# Altium PCB Board_Layout_Test.PcbDoc (part 1 of 2) (continued)
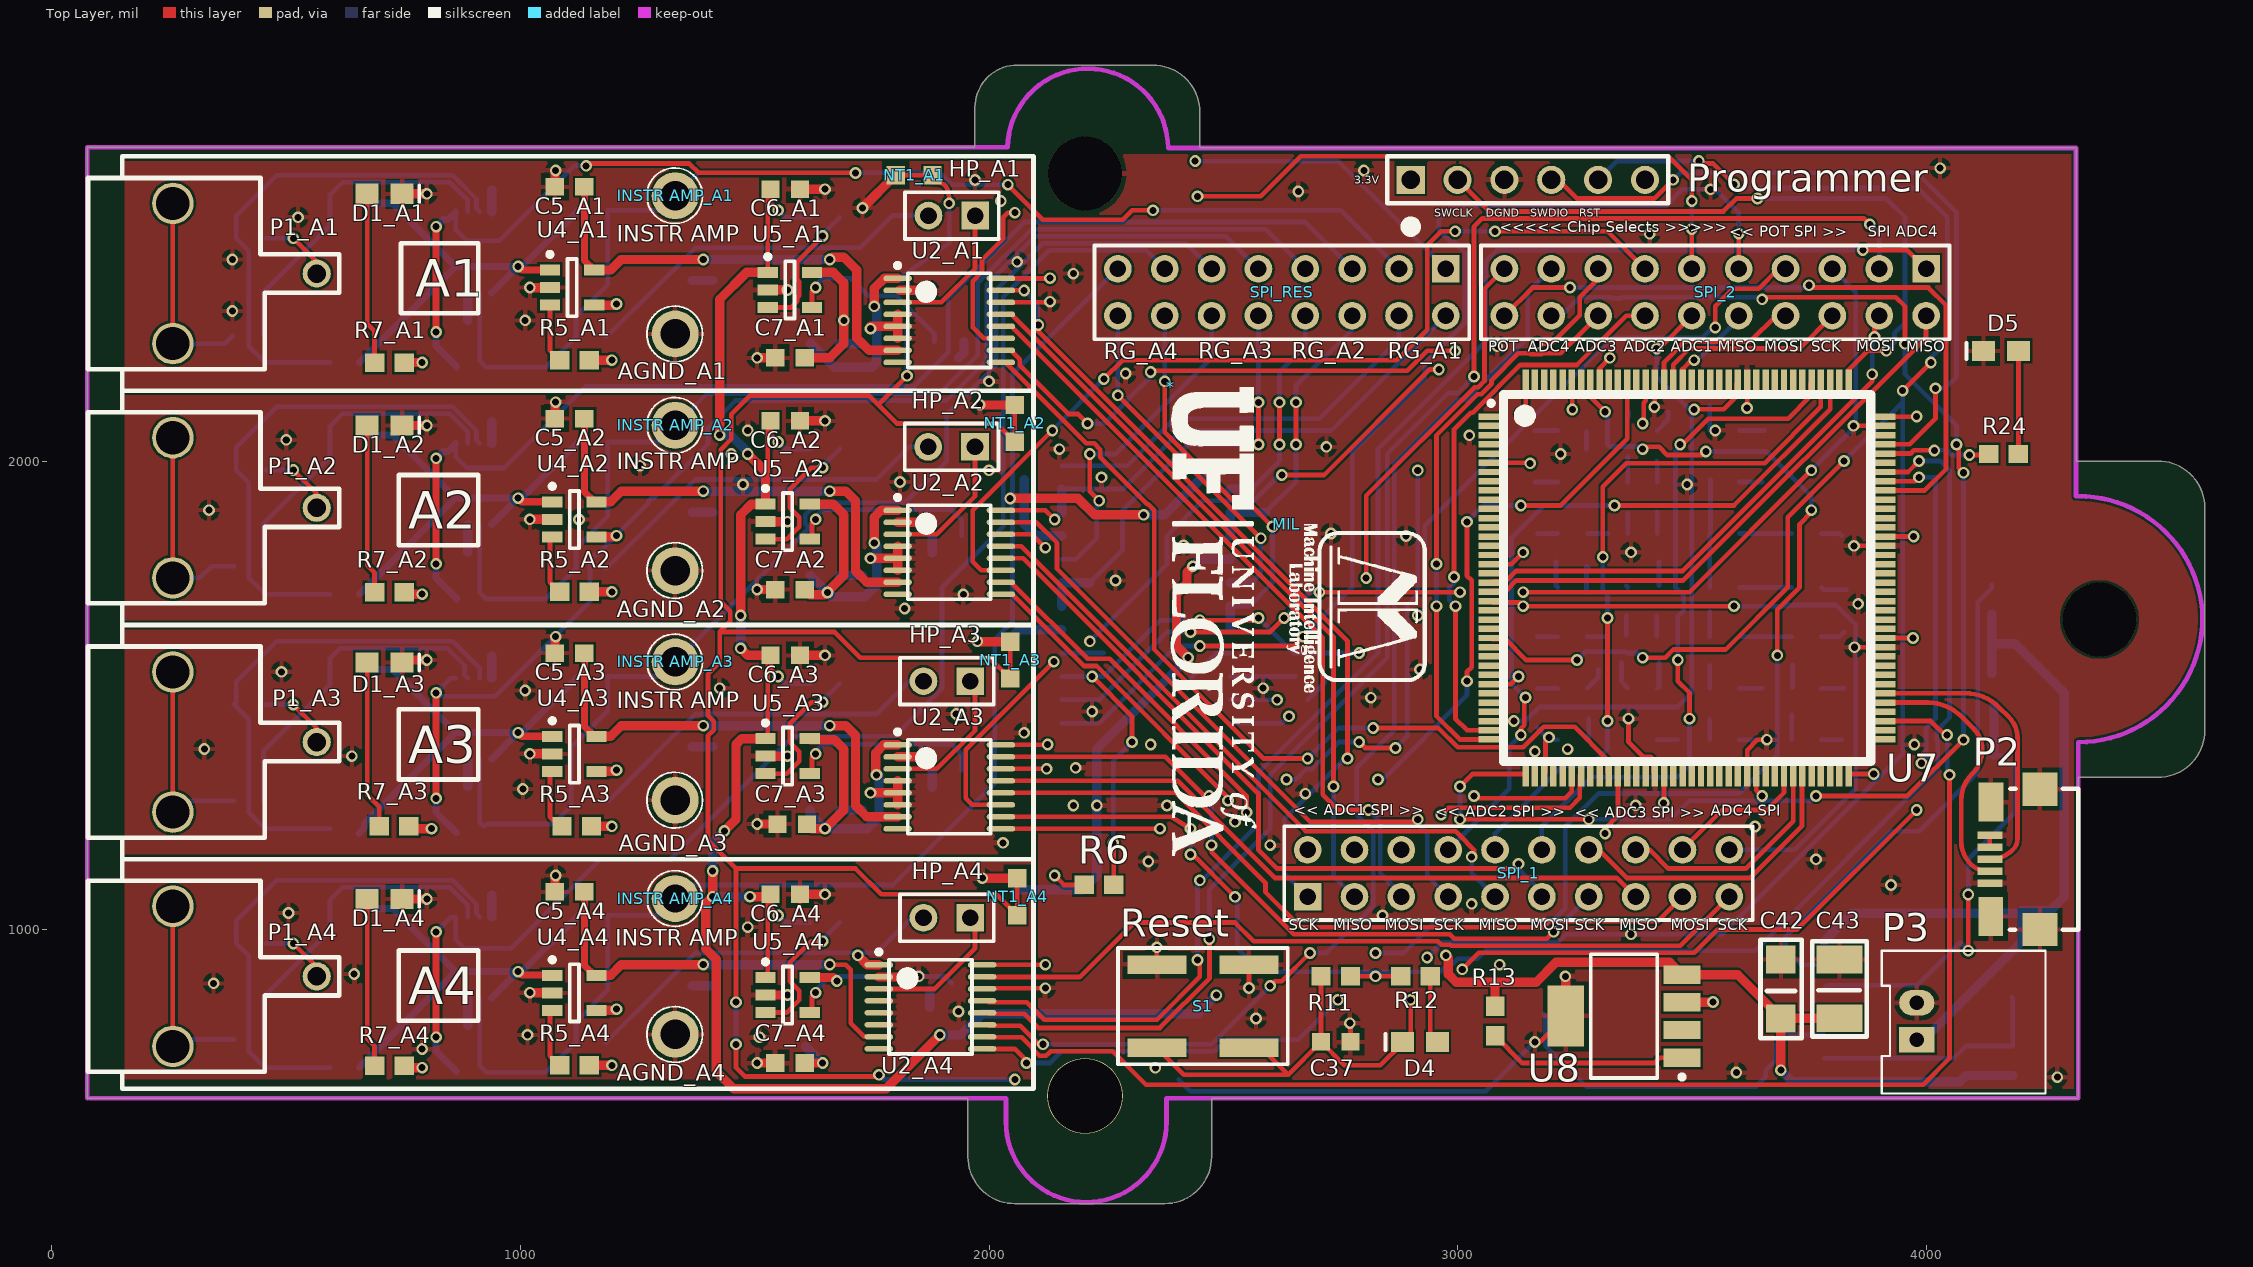
[diagram p0: Top Layer view]
## Components (designator, comment, footprint, x,y, rotation, side; value= is the part's Value field where it differs from the comment) (continued)
MIL "MIL LOGO" "MIL LOGO - 500" 2635,1865.21 r270 top
NT1_A1 "NetTie" NT_5MIL 1840,2610 r0 top net-tie (schematic designator NT1)
NT1_A2 "NetTie" NT_5MIL 2055,2080.21 r270 top net-tie (schematic designator NT1)
NT1_A3 "NetTie" NT_5MIL 2045,1575.21 r270 top net-tie (schematic designator NT1)
NT1_A4 "NetTie" NT_5MIL 2060,1070.21 r270 top net-tie (schematic designator NT1)
P1_A1 "BNC" "BNC CONNECTOR" 565,2400.21 r0 top (schematic designator P1)
P1_A2 "BNC" "BNC CONNECTOR" 565,1900.21 r0 top (schematic designator P1)
P1_A3 "BNC" "BNC CONNECTOR" 565,1400.21 r0 top (schematic designator P1)
P1_A4 "BNC" "BNC CONNECTOR" 565,900.21 r0 top (schematic designator P1)
P2 "USB Micro" 10118192-0001LF 4115,1150 r90 top
P3 "2-pin Horz Sherlock" MOLEX-HDR-1X2-SHERLOCK-HORZ 3980,765 r270 top
Programmer "SWD" SWD_STM32 2900,2600.21 r90 top
R1_A1 "Res" RES0603 625,2550.21 r180 bottom (schematic designator R1)
R1_A2 "Res" RES0603 625,2055.73 r180 bottom (schematic designator R1)
R1_A3 "Res" RES0603 625,1545.21 r180 bottom (schematic designator R1)
R1_A4 "Res" RES0603 625,1045.21 r180 bottom (schematic designator R1)
R2_A1 "Res" RES0603 625,2210.21 r0 bottom (schematic designator R2)
R2_A2 "Res" RES0603 625,1715.73 r0 bottom (schematic designator R2)
R2_A3 "Res" RES0603 630,1215.21 r0 bottom (schematic designator R2)
R2_A4 "Res" RES0603 625,705.21 r0 bottom (schematic designator R2)
R3_A1 "Res" RES0603 1335,2385.21 r180 bottom (schematic designator R3)
R3_A2 "Res" RES0603 1335,1890.73 r180 bottom (schematic designator R3)
R3_A3 "Res" RES0603 1335,1390.21 r180 bottom (schematic designator R3)
R3_A4 "Res" RES0603 1335,880.21 r180 bottom (schematic designator R3)
R4_A1 "Res" RES0603 1155,2535.21 r0 bottom (schematic designator R4)
R4_A2 "Res" RES0603 1155,2040.73 r0 bottom (schematic designator R4)
R4_A3 "Res" RES0603 1155,1540.21 r0 bottom (schematic designator R4)
R4_A4 "Res" RES0603 1155,1030.21 r0 bottom (schematic designator R4)
R5_A1 "Res" RES0603 1115,2215.21 r0 top (schematic designator R5)
R5_A2 "Res" RES0603 1115,1720.73 r0 top (schematic designator R5)
R5_A3 "Res" RES0603 1120,1220.21 r0 top (schematic designator R5)
R5_A4 "Res" RES0603 1115,710.21 r0 top (schematic designator R5)
R6 "Res" RES0603 2235,1095.21 r180 top
R7_A1 "Res" RES0603 720,2210.21 r180 top (schematic designator R7)
R7_A2 "Res" RES0603 720,1720.21 r180 top (schematic designator R7)
R7_A3 "Res" RES0603 730,1220.21 r180 top (schematic designator R7)
R7_A4 "Res" RES0603 720,709.7 r180 top (schematic designator R7)
R8_A1 "Res" RES0603 1650,2520.21 r180 bottom (schematic designator R8)
R8_A2 "Res" RES0603 1645,2030.21 r180 bottom (schematic designator R8)
R8_A3 "Res" RES0603 1645,1525.21 r180 bottom (schematic designator R8)
R8_A4 "Res" RES0603 1645,1019.7 r180 bottom (schematic designator R8)
R9 "Res" RES0603 2685,1540.21 r180 bottom
R10 "Res" RES0603 4145,1510 r270 bottom
R11 "Res" RES0603 2740,900.21 r180 top
R12 "Res" RES0603 2910,900.21 r0 top
R13 "Res" RES0603 3080,805 r270 top
R17 "Res" RES0603 4140,1705 r90 bottom
R21 "Res" RES0603 4145,1340 r270 bottom
R22 "Res" RES0603 4085,720 r90 bottom
R23 "Res" RES0603 4215,855 r0 bottom
R24 "Res" RES0603 4165,2015 r0 top
S1 "PBSW" PBSW 2555,925.21 r180 top
SPI_1 "Header 10X2" HDR2X10 2680,1070.21 r0 top
SPI_2 "Header 10X2" HDR2X10 4000,2410.21 r180 top
SPI_RES "Header 8X2" HDR2X8 2975,2410.21 r180 top
U1_A1 "Inst. Amp" TSSOP-8n 900,2445.21 r270 bottom (schematic designator U1)
U1_A2 "Inst. Amp" TSSOP-8n 900,1950.21 r270 bottom (schematic designator U1)
U1_A3 "Inst. Amp" TSSOP-8n 900,1449.7 r270 bottom (schematic designator U1)
U1_A4 "Inst. Amp" TSSOP-8n 900,939.7 r270 bottom (schematic designator U1)
U2_A1 "ADC 16bit 500k" TSSOP-16pin 1915,2300.21 r0 top (schematic designator U2)
U2_A2 "ADC 16bit 500k" TSSOP-16pin 1915,1805.21 r0 top (schematic designator U2)
U2_A3 "ADC 16bit 500k" TSSOP-16pin 1915,1304.7 r0 top (schematic designator U2)
U2_A4 "ADC 16bit 500k" TSSOP-16pin 1875,835 r0 top (schematic designator U2)
U3 "AD8403" SOIC-24n 2335,1715.21 r180 bottom
U4_A1 "REF2041" SOT23-5 1110,2370.21 r0 top (schematic designator U4)
U4_A2 "REF2041" SOT23-5 1115,1875.21 r0 top (schematic designator U4)
U4_A3 "REF2041" SOT23-5 1115,1374.7 r0 top (schematic designator U4)
U4_A4 "REF2041" SOT23-5 1115,864.7 r0 top (schematic designator U4)
U5_A1 "LDO 4.2V" SOT23-5 1575,2365.21 r0 top (schematic designator U5)
U5_A2 "LDO 4.2V" sot23-5 1570,1870.73 r0 top (schematic designator U5)
U5_A3 "LDO 4.2V" sot23-5 1570,1370.21 r0 top (schematic designator U5)
U5_A4 "LDO 4.2V" sot23-5 1570,860.21 r0 top (schematic designator U5)
U7 "STM32F429-144" LQFP-144 3490,1750.21 r0 top
U8 "3.3V LDO REG" SOT223-8N 3355,815.21 r180 top
U9 "LMZ14201h" TO-PMOD-7 3495,825 r270 bottom

## Footprints (in the part's own frame and the unit in brackets; to place one, negate y for a bottom-side part, rotate by r counter-clockwise, add the part's x,y. Pads: shape width x height; smd on the part's side, far side on the other; paste and mask are expansions set on the pad)
10118192-0001LF [mm] "USB Micro-B Recepticle"
  rect 0.4x1.35 smd: 1(-1.3,-0.533) 2(-0.65,-0.533) 3(0,-0.533) 4(0.65,-0.533) 5(1.3,-0.533)
  rect 1.8x1.9 smd: SHD(-3.8,-3.248) SHD(3.8,-3.248)
  rect 2.1x1.35 smd: SHD(-3.1,-0.584) SHD(3.1,-0.598)
  silkscreen extent -3.83,-5.33 3.83,-1.63, body extent -3.96,-5.98 3.96,-0.32, height 3.09
"BNC CONNECTOR" [mm] "For WM5524-ND"
  round 1.524 hole 1: 1(0,0)
  round 2.25 hole 1.8: 2(-7.8,-3.8) 3(-7.8,3.8)
  silkscreen extent -12.4,-5.18 1.22,5.18
CAP1206 [mm]
  rect 1.5x1.6 smd: 1(0,0) 2(-3.2,0)
  silkscreen extent -4.27,-1.1 1.06,1.13, body extent -3.2,-0.9 0.02,0.9, height 1.6
CAP1210 [mm]
  rect 1.5x2.5 smd: 1(-0.02,0) 2(-3.2,0)
  silkscreen extent -4.2,-1.48 0.97,1.48, body extent -3.22,-1.25 0,1.26, height 2.5
CAPC0603 [mm] "Chip Capacitor, 2-Leads, Body 1.60x0.80mm, IPC Medium Density"
  rect 1x0.95 smd: 1(-0.8,0) 2(0.8,0)
  body extent -0.88,-0.48 0.87,0.48, height 0.8
HDR1X2 [mm] "Connector; Header; 2 Position"
  rect 1.5x1.5 hole 0.9: 1(0,0)
  round 1.5 hole 0.9: 2(2.54,0)
  silkscreen extent -1.27,-1.27 3.81,1.27
HDR2X8 [mm] "Connector; Header; 8x2 Position"
  rect 1.5x1.5 hole 0.9: 1(0,0)
  round 1.5 hole 0.9: 2(0,2.54) 3(2.54,0) 4(2.54,2.54) 5(5.08,0) 6(5.08,2.54) 7(7.62,0) 8(7.62,2.54) 9(10.16,0) 10(10.16,2.54) 11(12.7,0) 12(12.7,2.54) 13(15.24,0) 14(15.24,2.54) 15(17.78,0) 16(17.78,2.54)
  silkscreen extent -1.27,-1.27 19.05,3.81
HDR2X10 [mm] "Connector; Header; 10x2 Position"
  rect 1.5x1.5 hole 0.9: 1(0,0)
  round 1.5 hole 0.9: 2(0,2.54) 3(2.54,0) 4(2.54,2.54) 5(5.08,0) 6(5.08,2.54) 7(7.62,0) 8(7.62,2.54) 9(10.16,0) 10(10.16,2.54) 11(12.7,0) 12(12.7,2.54) 13(15.24,0) 14(15.24,2.54) 15(17.78,0) 16(17.78,2.54) 17(20.32,0) 18(20.32,2.54) 19(22.86,0) 20(22.86,2.54)
  silkscreen extent -1.27,-1.27 24.13,3.81
LED0805-RED [mm] "Molded Diode, 2-Leads, Body 2.0x1.3mm, IPC Medium Density"
  rect 1.25x1.1 smd: 1(-0.95,0) 2(0.95,0)
  silkscreen extent -1.88,-0.45 -1.88,0.45, body extent -1.01,-0.62 1.01,0.63, height 1.1
LQFP-144 [mm] "For STM32F407"
  rect 1.35x0.35 smd: 1(-10.625,8.75) 2(-10.625,8.25) 3(-10.625,7.75) 4(-10.625,7.25) 5(-10.625,6.75) 6(-10.625,6.25) 7(-10.625,5.75) 8(-10.625,5.25) 9(-10.625,4.75) 10(-10.625,4.25) 11(-10.625,3.75) 12(-10.625,3.25) 13(-10.625,2.75) 14(-10.625,2.25) 15(-10.625,1.75) 16(-10.625,1.25) 17(-10.625,0.75) 18(-10.625,0.25) 19(-10.625,-0.25) 20(-10.625,-0.75) 21(-10.625,-1.25) 22(-10.625,-1.75) 23(-10.625,-2.25) 24(-10.625,-2.75) 25(-10.625,-3.25) 26(-10.625,-3.75) 27(-10.625,-4.25) 28(-10.625,-4.75) 29(-10.625,-5.25) 30(-10.625,-5.75) 31(-10.625,-6.25) 32(-10.625,-6.75) 33(-10.625,-7.25) 34(-10.625,-7.75) 35(-10.625,-8.25) 36(-10.625,-8.75) 73(10.625,-8.75) 74(10.625,-8.25) 75(10.625,-7.75) 76(10.625,-7.25) 77(10.625,-6.75) 78(10.625,-6.25) 79(10.625,-5.75) 80(10.625,-5.25) 81(10.625,-4.75) 82(10.625,-4.25) 83(10.625,-3.75) 84(10.625,-3.25) 85(10.625,-2.75) 86(10.625,-2.25) 87(10.625,-1.75) 88(10.625,-1.25) 89(10.625,-0.75) 90(10.625,-0.25) 91(10.625,0.25) 92(10.625,0.75) 93(10.625,1.25) 94(10.625,1.75) 95(10.625,2.25) 96(10.625,2.75) 97(10.625,3.25) 98(10.625,3.75) 99(10.625,4.25) 100(10.625,4.75) 101(10.625,5.25) 102(10.625,5.75) 103(10.625,6.25) 104(10.625,6.75) 105(10.625,7.25) 106(10.625,7.75) 107(10.625,8.25) 108(10.625,8.75)
  rect 0.35x1.35 smd: 37(-8.75,-10.625) 38(-8.25,-10.625) 39(-7.75,-10.625) 40(-7.25,-10.625) 41(-6.75,-10.625) 42(-6.25,-10.625) 43(-5.75,-10.625) 44(-5.25,-10.625) 45(-4.75,-10.625) 46(-4.25,-10.625) 47(-3.75,-10.625) 48(-3.25,-10.625) 49(-2.75,-10.625) 50(-2.25,-10.625) 51(-1.75,-10.625) 52(-1.25,-10.625) 53(-0.75,-10.625) 54(-0.25,-10.625) 55(0.25,-10.625) 56(0.75,-10.625) 57(1.25,-10.625) 58(1.75,-10.625) 59(2.25,-10.625) 60(2.75,-10.625) 61(3.25,-10.625) 62(3.75,-10.625) 63(4.25,-10.625) 64(4.75,-10.625) 65(5.25,-10.625) 66(5.75,-10.625) 67(6.25,-10.625) 68(6.75,-10.625) 69(7.25,-10.625) 70(7.75,-10.625) 71(8.25,-10.625) 72(8.75,-10.625) 109(8.75,10.625) 110(8.25,10.625) 111(7.75,10.625) 112(7.25,10.625) 113(6.75,10.625) 114(6.25,10.625) 115(5.75,10.625) 116(5.25,10.625) 117(4.75,10.625) 118(4.25,10.625) 119(3.75,10.625) 120(3.25,10.625) 121(2.75,10.625) 122(2.25,10.625) 123(1.75,10.625) 124(1.25,10.625) 125(0.75,10.625) 126(0.25,10.625) 127(-0.25,10.625) 128(-0.75,10.625) 129(-1.25,10.625) 130(-1.75,10.625) 131(-2.25,10.625) 132(-2.75,10.625) 133(-3.25,10.625) 134(-3.75,10.625) 135(-4.25,10.625) 136(-4.75,10.625) 137(-5.25,10.625) 138(-5.75,10.625) 139(-6.25,10.625) 140(-6.75,10.625) 141(-7.25,10.625) 142(-7.75,10.625) 143(-8.25,10.625) 144(-8.75,10.625)
  silkscreen extent -10.75,-9.95 9.95,9.95, body extent -9.95,-9.95 9.95,9.95, height 1.6
"MIL LOGO - 500" [mil]
  silkscreen extent 0,0 359,299
MOLEX-HDR-1X2-SHERLOCK-HORZ [mm]
  rect 1.397x1.905 hole 0.8: 1(0,0)
  oval 1.397x1.905 hole 0.8: 2(-2,0)
  silkscreen extent -4.83,-1.91 2.92,6.98, body extent -4.83,-1.91 2.87,8.59, height 5.54
NT_5MIL [mm] "Thin Net Tie"
  rect 1x1 smd paste+0 mask+0: 1(-1,0) 2(1,0)
  Top Layer lines w0.254: -1,0 1,0
PBSW [mm]
  rect 3.2x1 smd: 1(0,0) 2(5,0) 3(5,4.5) 4(0,4.5)
  silkscreen extent -2.1,-0.9 7.1,5.4, body extent -2,-0.75 7,5.25, height 5
RES0603 [mm] "Chip Resistor, 2-Leads, Body 1.60x0.80mm, IPC Medium Density"
  rect 1.05x1 smd: 1(-0.8,0) 2(0.8,0)
  body extent -0.88,-0.48 0.87,0.47, height 0.8
SOIC-24n [mm]
  oval 2.3x0.6 smd: 1(-4.575,6.985) 2(-4.575,5.715) 3(-4.575,4.445) 4(-4.575,3.175) 5(-4.575,1.905) 6(-4.575,0.635) 7(-4.575,-0.635) 8(-4.575,-1.905) 9(-4.575,-3.175) 10(-4.575,-4.445) 11(-4.575,-5.715) 12(-4.575,-6.985) 13(4.575,-6.985) 14(4.575,-5.715) 15(4.575,-4.445) 16(4.575,-3.175) 17(4.575,-1.905) 18(4.575,-0.635) 19(4.575,0.635) 20(4.575,1.905) 21(4.575,3.175) 22(4.575,4.445) 23(4.575,5.715) 24(4.575,6.985)
  silkscreen extent -4.7,-7.8 3.8,7.96, body extent -3.8,-7.8 3.8,7.8, height 1.2
SOT23-5 [mm] "Used for LP2992"
  rect 1.1x0.6 smd: 1(-1.2,0.95) 2(-1.2,0) 3(-1.2,-0.95) 4(1.2,-0.95) 5(1.2,0.95)
  silkscreen extent -1.32,-1.55 0.25,1.92, body extent -0.87,-1.52 0.87,1.53, height 0.25
sot23-5 [mm] "Used for LP2992"
  rect 1.1x0.6 smd: 1(-1.2,0.95) 2(-1.2,0) 3(-1.2,-0.95) 4(1.2,-0.95) 5(1.2,0.95)
  silkscreen extent -1.32,-1.55 0.25,1.92, body extent -0.87,-1.52 0.87,1.53, height 0.25
SOT223-8N [mm] "3.3V LDO"
  rect 2x1 smd: 1(-3.15,2.25) 2(-3.15,0.75) 3(-3.15,-0.75) 4(-3.15,-2.25)
  rect 2x3.3 smd: 5(3.15,0)
  silkscreen extent -3.27,-3.35 1.8,3.42, body extent -1.85,-3.35 1.85,3.35, height 1.8
SWD_STM32 [mil] "SWD connector matching the pinout on STM Discovery Boards"
  rect 60x60 hole 39.37: 1(0,0)
  round 60 hole 39.37: 2(0,-100) 3(0,-200) 4(0,-300) 5(0,-400) 6(0,-500)
  silkscreen extent -110,-550 50,50
TO-PMOD-7 [mm] "For LMZ14201h"
  rect 0.89x3.06 smd: 1(-3.81,-7.305) 2(-2.54,-7.305) 3(-1.27,-7.305) 4(0,-7.305) 5(1.27,-7.305) 6(2.54,-7.305) 7(3.81,-7.305)
  rect 5.35x8.54 smd: 8(0,0)
  body extent -4.83,-5.74 4.9,4.41, height 5
TP#1 [mm]
  round 2.54 hole 1.6: 1(0.025,0)
  silkscreen extent -1.49,-1.49 1.54,1.53, body extent -1.59,-1.59 1.59,1.59, height 5.58
TP#2 [mm]
  round 2.54 hole 1.5: 1(0.025,0)
  silkscreen extent -1.49,-1.49 1.54,1.53, body extent -1.59,-1.59 1.59,1.59, height 5.58
TSSOP-8n [mm]
  oval 1.45x0.45 smd: 1(-2.2,0.975) 2(-2.2,0.325) 3(-2.2,-0.325) 4(-2.2,-0.975) 5(2.2,-0.975) 6(2.2,-0.325) 7(2.2,0.325) 8(2.2,0.975)
  silkscreen extent -2.32,-1.55 1.55,1.87, body extent -1.55,-1.55 1.55,1.55, height 1.1
TSSOP-16pin [mm] "For 296-19764-ND"
  oval 1.55x0.3 smd: 1(-2.8,2.275) 2(-2.8,1.625) 3(-2.8,0.975) 4(-2.8,0.325) 5(-2.8,-0.325) 6(-2.8,-0.975) 7(-2.8,-1.625) 8(-2.8,-2.275) 9(2.8,-2.275) 10(2.8,-1.625) 11(2.8,-0.975) 12(2.8,-0.325) 13(2.8,0.325) 14(2.8,0.975) 15(2.8,1.625) 16(2.8,2.275)
  silkscreen extent -2.92,-2.55 2.25,3.1, body extent -2.25,-2.55 2.25,2.55, height 1.2
"UF LOGO-1000" [mil]
  silkscreen extent 0,0 1000,183

## Part data
AGND_A1 AGND_A2 AGND_A3 AGND_A4 "INSTR AMP_A1" "INSTR AMP_A2" "INSTR AMP_A3" "INSTR AMP_A4": "TEST POINT PC COMPACT .063\"D"
C40 C42: "CAP CER 1UF 50V 10% X7R 1206"
C41 C43: "CAP CER 10UF 50V 20% X5R 1210"
D1_A1 D1_A2 D1_A3 D1_A4 D4 D5: "Light Emitting Diode - RED"
HP_A1 HP_A2 HP_A3 HP_A4: "Header, 2-Pin"
NT1_A1 NT1_A2 NT1_A3 NT1_A4: "Ties two nets together"
P1_A1 P1_A2 P1_A3 P1_A4: library part "BNC Connector", "CONN BNC JACK R/A 50 OHM PCB"
P2: "USB Mini B Metal Shield SMT"
P3: library part MOLEX-HDR-1x2-SHERLOCK_RA, "Header, Molex, 2mm Pitch Sherlock Header, Single Row, Horizontal, 2 Circuits, Length 3.3mm,  0353630260"
Programmer: library part SWD_STM32, "SWD connector matching the pinout on STM Discovery Boards"
S1: library part SW-PB, "Push Button Switch"
SPI_1 SPI_2: "Header, 10-Pin, Dual row"
SPI_RES: "Header, 8-Pin, Dual row"
U1_A1 U1_A2 U1_A3 U1_A4: library part INA331, "IC OPAMP INSTR 2MHZ RRO 8VSSOP"
U2_A1 U2_A2 U2_A3 U2_A4: "IC ADC 16BIT 500KSPS 16-TSSOP"
U3: "IC POT DGTL 8BIT 100K 4CH 24SOIC"
U4_A1 U4_A2 U4_A3 U4_A4: "IC VREF SERIES 2.05V/4.096V 5SOT"
U5_A1 U5_A2 U5_A3 U5_A4: library part "LDO 4.2V 200mA", "IC REG LDO 4.2V 0.2A 5SOT"
U7: "IC MCU ARM 2MB FLASH 144LQFP"
U8: library part LP38691, "IC REG LDO 3.3V 0.5A SOT223-5"
U9: "IC BUCK SYNC ADJ 1A TO-PMOD-7"

## Free pads (board coordinates)
  round 161.42 hole 157.48: 0(2204.72,645)
  round 157.48 hole 157.48: 0(2204.72,2613.5) 0(4370.08,1661.73)

## Via types
v1: diameter 25, hole 15, Top Layer to Bottom Layer, tented both sides, 292 vias
v2: diameter 25, hole 15, Top Layer to Ground, tented top, 64 vias
v3: diameter 25, hole 15, Ground to Bottom Layer, tented bottom, 48 vias
v4: diameter 25, hole 15, Top Layer to Power, tented top, 36 vias
v5: diameter 25, hole 15, Power to Bottom Layer, tented bottom, 30 vias

## Nets (pads, with @x,y where several pads share a name; then routed paths per layer and width w, separated by ;. In a path a pad name is that pad's centre, name@x,y a point inside that pad or via, vN(x,y) a via of type N, cw(c..) or ccw(c..) an arc to the next point about the centre after c; other vN are vias at no path point)
1: 
2.048V_A1: R1_A1.1 R2_A1.2 R4_A1.1 U1_A1.5 U4_A1.1 | length 1013.5
  Top Layer w15: v1(995,2415.21) 1002.6,2407.62 U4_A1.1@1062.76,2407.62
  Bottom Layer w15: R2_A1.2@656.5,2210.21 861.5,2415.21 ; R1_A1.1@656.5,2550.21 726.5,2550.21 861.5,2415.21 ; U1_A1.5@938.39,2358.6 v1(995,2415.21) ; R4_A1.1@1123.5,2535.21 1003.5,2415.21 v1(995,2415.21) ; 861.5,2415.21 v1(995,2415.21)
2.048V_A2: R1_A2.1 R2_A2.2 R4_A2.1 U1_A2.5 U4_A2.1 | length 1013.5
  Top Layer w15: v1(995,1920.73) 1002.6,1913.13 U4_A2.1@1062.76,1913.13
  Bottom Layer w15: R2_A2.2@656.5,1715.73 861.5,1920.73 ; R1_A2.1@656.5,2055.73 726.5,2055.73 861.5,1920.73 ; U1_A2.5@938.39,1864.11 v1(995,1920.73) ; R4_A2.1@1123.5,2040.73 1003.5,1920.73 v1(995,1920.73) ; 861.5,1920.73 v1(995,1920.73)
2.048V_A3: R1_A3.1 R2_A3.2 R4_A3.1 U1_A3.5 U4_A3.1 | length 1024.1
  Top Layer w15: v1(995,1420.21) 1002.6,1412.62 U4_A3.1@1062.76,1412.62
  Bottom Layer w15: R2_A3.2@655,1205.21 666.5,1216.71 666.5,1225.21 861.5,1420.21 ; R1_A3.1@656.5,1555.21 726.5,1555.21 861.5,1420.21 ; U1_A3.5@938.39,1363.6 v1(995,1420.21) ; R4_A3.1@1123.5,1540.21 1003.5,1420.21 v1(995,1420.21) ; 861.5,1420.21 v1(995,1420.21)
2.048V_A4: R1_A4.1 R2_A4.2 R4_A4.1 U1_A4.5 U4_A4.1 | length 1013.5
  Top Layer w15: v1(995,910.21) 1002.6,902.62 U4_A4.1@1062.76,902.62
  Bottom Layer w15: R2_A4.2@656.5,705.21 861.5,910.21 ; R1_A4.1@656.5,1045.21 726.5,1045.21 861.5,910.21 ; U1_A4.5@938.39,853.6 v1(995,910.21) ; R4_A4.1@1123.5,1030.21 1003.5,910.21 v1(995,910.21) ; 861.5,910.21 v1(995,910.21)
3: 
3.3VD: C11.1 C12.1 C13.1 C14.1 C15.1 C16.1 C17.1 C18.1 C19.1 C20.1 C21.1 C22.1 C23.1 C24.1 C25.1 C26.1 C27.1 C28.1 C29.1 C30.1 C31.1 C32.1 C33.1 C34.1 C35.1 C36.1 Programmer.1 R6.2 R9.1 R11.1 R12.1 U2_A1.16 U2_A2.16 U2_A3.16 U2_A4.16 U3.16 U7.6 U7.17 U7.30 U7.39 U7.52 U7.62 U7.72 U7.84 U7.95 U7.108 U7.121 U7.131 U7.144 U8.3 | length 3167.3
  Top Layer w10: U2_A4.16@1995.47,925 v4(2120,925) ; U2_A3.16@2025.24,1394.27 v4@2124.05,1394.27 ; U2_A2.16@2025.24,1894.78 2120.43,1894.78 v4(2140,1875.21) ; U2_A1.16@2025.24,2389.78 v4@2129.57,2389.78 ; v4(2140,1115.21) 2160,1095.21 R6.2@2203.5,1095.21 ; R11.1@2771.5,900.21 R12.1@2878.5,900.21 ; U7.30@3071.69,1523.84 3113.62,1523.84 v4(3130,1540.21) ; U7.17@3071.69,1779.74 3114.53,1779.74 v4(3140,1805.21) ; U7.6@3071.69,1996.28 v4@3153.94,1996.28 ; v4(3135,2100.21) 3145.51,2110.73 U7.144@3145.51,2168.52 ; U7.39@3184.88,1331.91 3187.5,1334.52 3187.5,1402.71 v4(3195,1410.21) ; v4@3397.5,2082.71 3397.5,2124.53 3401.42,2128.45 U7.131@3401.42,2168.52 ; v4@3440.79,1271 U7.52@3440.79,1331.91 ; v4(3505,2110.21) 3567.88,2110.21 3595.47,2137.8 3595.47,2165.73 U7.121@3598.27,2168.52 ; U7.62@3637.64,1331.91 3637.64,1297.58 v4(3650,1285.21) ; U7.72@3834.49,1331.91 v4(3888.31,1331.91) ; U7.84@3908.31,1622.26 v4(3972.05,1622.26) ; U7.95@3908.31,1838.8 v4(3973.58,1838.8) ; U7.108@3908.31,2094.7 v4@3979.49,2094.7
  Top Layer w20: U8.3@3479.02,844.74 v4@3544.53,844.74
  Bottom Layer w10: U3.16@2154.88,1590.21 v5(2245,1590.21) ; v5(2680,1490.21) 2716.5,1526.71 R9.1@2716.5,1540.21 ; v5(3165,1955.21) C31.1@3213.5,1955.21 ; v5(3165,2065.21) C30.1@3213.5,2065.21 ; v5(3170,1430.21) 3195,1405.21 C36.1@3213.5,1405.21 ; v5(3170,1515.21) C35.1@3213.5,1515.21 ; v5(3170,1625.21) C34.1@3213.5,1625.21 ; v5(3170,1845.21) C32.1@3213.5,1845.21 ; v5(3210,1785.21) 3210,1733.72 C33.1@3213.5,1730.21 ; C27.1@3425,1626.71 v5(3425,1670.21) ; v5(3425,2000.21) 3426.5,1998.72 C24.1@3426.5,1955.21 ; C29.1@3426.5,1405.21 v5(3470,1405.21) ; C28.1@3426.5,1515.21 3430,1518.72 v5(3430,1570.21) ; C25.1@3426.5,1845.21 v5@3426.5,1891.71 ; C23.1@3426.5,2065.21 3450,2088.72 v5(3450,2105.21) ; C26.1@3430,1733.72 v5(3430,1785.21) ; C22.1@3538.5,1405.21 v5@3538.5,1448.72 ; C21.1@3538.5,1515.21 v5@3538.5,1563.72 ; C20.1@3538.5,1625.21 v5@3538.5,1678.72 ; C19.1@3538.5,1730.21 v5@3538.5,1778.72 ; v5@3538.5,1780.21 C18.1@3538.5,1845.21 ; C16.1@3538.5,2065.21 v5@3538.5,2118.72 ; C18.1@3540,1845.21 C17.1@3540,1960.21 ; C15.1@3776.5,1405.21 v5(3820,1405.21) ; C14.1@3776.5,1515.21 v5(3825,1515.21) ; C13.1@3776.5,1625.21 3815,1625.21 v5(3825,1635.21) ; C12.1@3776.5,1730.21 3781.5,1725.21 v5(3830,1725.21) ; C11.1@3776.5,1845.21 3815,1845.21 v5(3820,1840.21)
  other v4: 3545,845.21 2825,900.21 3440,1270.21 2125,1395.21 3155,1995.21 3395,2080.21 3980,2095.21 2130,2390.21
  other v5: 3540,1450.21 3540,1565.21 3540,1680.21 3540,1780.21 3430,1895.21 3540,2120.21
4.2V_A1: C1_A1.2 C7_A1.2 R5_A1.2 R7_A1.1 U1_A1.7 U2_A1.1 U4_A1.4 U5_A1.5 | length 877.3
  Top Layer w20: R7_A1.1@751.5,2210.21 v4(790,2210.21) ; R5_A1.2@1146.5,2215.21 v4(1195,2215.21) ; U4_A1.4@1157.24,2332.81 v4@1202.6,2332.81 ; C7_A1.2@1606.5,2220.21 1660,2220.21 1690,2250.21 v4(1690,2300.21) 1690,2380.21 1667.6,2402.62 U5_A1.5@1622.24,2402.62 ; v1(1755,2330.21) 1755,2368.6 1776.62,2390.21 1804.33,2390.21 U2_A1.1@1804.76,2389.78
  Bottom Layer w20: v5(887.2,2300.21) U1_A1.7@887.2,2358.6 ; C1_A1.2@1618.5,2250.21 1620,2250.21 1670,2200.21 1750,2200.21 1760,2210.21 v1@1760,2330.21
  other v4: 1205,2335.21
4.2V_A2: C1_A2.2 C7_A2.2 R5_A2.2 R7_A2.1 U1_A2.7 U2_A2.1 U4_A2.4 U5_A2.5 | length 869.1
  Top Layer w20: R7_A2.1@751.5,1715.73 v4(790,1715.73) ; R5_A2.2@1146.5,1720.73 v4(1195,1720.73) ; U4_A2.4@1157.24,1838.32 v4@1202.6,1838.32 ; C7_A2.2@1606.5,1725.73 1617.22,1715 1649.27,1715 1690,1755.73 1690,1885.73 1667.6,1908.13 U5_A2.5@1622.24,1908.13 ; v1(1755,1825.21) 1755,1880.21 1769.57,1894.78 U2_A2.1@1804.76,1894.78
  Bottom Layer w20: v5(887.2,1805.73) U1_A2.7@887.2,1864.11 ; C1_A2.2@1618.5,1755.73 1664.02,1710.21 1735,1710.21 1760,1735.21 v1@1760,1820.21
  other v1: 1655,1719.23
  other v4: 1205,1840.73
4.2V_A3: C1_A3.2 C7_A3.2 R5_A3.2 R7_A3.1 U1_A3.7 U2_A3.1 U4_A3.4 U5_A3.5 | length 896.8
  Top Layer w20: R7_A3.1@751.5,1215.21 v4(810,1215.21) ; R5_A3.2@1146.5,1220.21 v4(1195,1220.21) ; U4_A3.4@1157.24,1337.81 v4@1202.6,1337.81 ; C7_A3.2@1606.5,1225.21 C7_A3.2@1611.5,1225.21 1621.5,1215.21 v1(1650,1215.21) 1690,1255.21 1690,1385.21 1670,1405.21 1619.65,1405.21 U5_A3.5@1617.24,1407.62 ; v1(1760,1330.21) 1758.05,1332.17 1758.05,1376.84 1775.48,1394.27 U2_A3.1@1804.76,1394.27
  Bottom Layer w20: v5(887.2,1305.21) U1_A3.7@887.2,1363.6 ; C1_A3.2@1618.5,1255.21 1618.5,1246.71 v1(1650,1215.21) 1740,1215.21 1765,1240.21 v1@1765,1330.21
  other v4: 1205,1340.21
4.2V_A4: C1_A4.2 C7_A4.2 R5_A4.2 R7_A4.1 U1_A4.7 U2_A4.1 U4_A4.4 U5_A4.5 | length 396.2
  Top Layer w20: R7_A4.1@751.5,705.21 v4(790,705.21) ; R5_A4.2@1146.5,710.21 v4(1195,710.21) ; U4_A4.4@1157.24,827.81 v4@1202.6,827.81 ; C7_A4.2@1606.5,715.21 v1(1645,715.21) ; U5_A4.5@1622.24,897.62 1667.6,897.62 v4(1675,890.21) ; v4(1720,945) 1740.43,924.57 U2_A4.1@1764.76,924.57
  Power w20: v4@1675,880 v4(1675,890.21)
  Bottom Layer w20: v5(887.2,795.21) U1_A4.7@887.2,853.6 ; C1_A4.2@1608.5,750.43 v1@1642.2,716.73
  other v4: 1205,830.21
4.096V_A1: C5_A1.2 U2_A1.7 U4_A1.5 | length 1012.5
  Top Layer w10: v1(1660,2430.21) v1@1665,2435.21
  Top Layer w15: C5_A1.2@1136.5,2585.21 1136.5,2428.36 U4_A1.5@1157.24,2407.62
  Top Layer w20: U4_A1.5@1157.24,2407.62 1192.4,2407.62 1215,2430.21 v1(1390,2430.21) ; v1@1665,2435.21 1690,2435.21 1717.5,2407.71 1717.5,2262.71 1743.98,2236.24 U2_A1.7@1804.76,2236.24
  Bottom Layer w20: v1(1390,2430.21) v1(1660,2430.21)
4.096V_A2: C5_A2.2 U2_A2.7 U4_A2.5 | length 1018.6
  Top Layer w10: v1(1660,1935.73) v1@1665,1940.73
  Top Layer w15: C5_A2.2@1136.5,2090.73 1136.5,1933.88 U4_A2.5@1157.24,1913.13
  Top Layer w20: U4_A2.5@1157.24,1913.13 1192.4,1913.13 1215,1935.73 v1(1390,1935.73) ; v1(1660,1935.73) 1694.49,1935.73 1715,1915.21 1715,1765.21 1738.98,1741.24 U2_A2.7@1804.76,1741.24
  Bottom Layer w20: v1(1390,1935.73) v1(1660,1935.73)
4.096V_A3: C5_A3.2 U2_A3.7 U4_A3.5 | length 1018.6
  Top Layer w10: v1(1660,1435.21) v1@1665,1440.21
  Top Layer w15: C5_A3.2@1136.5,1590.21 1136.5,1433.36 U4_A3.5@1157.24,1412.62
  Top Layer w20: U4_A3.5@1157.24,1412.62 1192.4,1412.62 1215,1435.21 v1(1390,1435.21) ; v1(1660,1435.21) 1694.49,1435.21 1715,1414.7 1715,1264.7 1738.98,1240.73 U2_A3.7@1804.76,1240.73
  Bottom Layer w20: v1(1390,1435.21) v1(1660,1435.21)
4.096V_A4: C5_A4.2 U2_A4.7 U4_A4.5 | length 941.2
  Top Layer w10: v1@1665,930.21 v1(1660,925.21) 1694.49,925.21 1705,914.7 1705,800 1733.98,771.02 U2_A4.7@1764.76,771.02
  Top Layer w15: C5_A4.2@1136.5,1080.21 1136.5,923.36 U4_A4.5@1157.24,902.62
  Top Layer w20: U4_A4.5@1157.24,902.62 1192.4,902.62 1215,925.21 v1(1390,925.21)
  Bottom Layer w20: v1(1390,925.21) v1(1660,925.21)
5VD: C6_A1.2 C6_A2.2 C6_A3.2 C6_A4.2 C39.2 C42.1 C43.1 R8_A1.2 R8_A2.2 R8_A3.2 R8_A4.2 R13.1 R22.1 U5_A1.1 U5_A2.1 U5_A3.1 U5_A4.1 U8.4 U9.7 | length 6471.2
  Top Layer w10: U5_A4.1@1527.76,897.62 C6_A4.2@1527.76,1069.47 ; U5_A3.1@1527.76,1407.62 C6_A3.2@1527.76,1579.47 ; U5_A2.1@1527.76,1908.13 C6_A2.2@1527.76,2079.98 ; U5_A1.1@1527.76,2402.62 C6_A1.2@1527.76,2574.47 ; C6_A4.2@1533.5,1069.47 1533.5,1046.71 v1(1550,1030.21) ; C6_A3.2@1533.5,1579.47 1533.5,1556.71 v1(1550,1540.21) ; C6_A2.2@1533.5,2079.98 1533.5,2057.22 v1(1550,2040.73) ; C6_A1.2@1533.5,2574.47 1533.5,2551.71 v1(1550,2535.21)
  Top Layer w20: v1(1410,1125.21) v1(1410,1070.21) 1395,1055.21 1395,959.1 1417.5,936.6 1417.5,697.71 1455,660.21 1780.21,660.21 v1(1895,775) ; v1(1425,2055.21) 1425,2345.21 1482.4,2402.62 U5_A1.1@1527.76,2402.62 ; v1(1435,1210.21) 1460,1235.21 1460,1395.21 1472.4,1407.62 U5_A3.1@1522.76,1407.62 ; v1(1470,1600.21) 1485,1585.21 C6_A3.2@1533.5,1585.21 ; v1(1470,1670.21) 1470,1885.21 1492.91,1908.13 U5_A2.1@1522.76,1908.13 1522.76,1977.46 v1(1485,2015.21) ; v1(1490,1070.21) 1528.5,1070.21 C6_A4.2@1533.5,1075.21 ; v1(2975,945) 2980,940 2980,905 2997.29,887.71 3080,887.71 ; R13.1@3080,836.5 3080,887.71 ; v1(3690,700) C42.1@3690,810 ; C43.1@3815,810.79 3690.79,810.79 3597.78,903.8 U8.4@3479.02,903.8 3452.81,930 3210,930 3167.71,887.71 3080,887.71
  Power w20: v1(2485,860) 2605,980 2940,980 v1(2975,945)
  Bottom Layer w10: v1(1550,1030.21) 1565,1015.21 R8_A4.2@1618.5,1015.21 ; v1(1550,1540.21) 1565,1525.21 R8_A3.2@1618.5,1525.21 ; v1(1550,2040.73) 1565,2025.73 R8_A2.2@1618.5,2025.73 ; v1(1550,2535.21) 1565,2520.21 R8_A1.2@1618.5,2520.21
  Bottom Layer w20: v1(1410,1070.21) v1(1490,1070.21) ; v1(1410,1125.21) 1410,1185.21 v1(1435,1210.21) ; v1@1430,2055.21 1448.89,2055.21 1485,2019.1 v1(1485,2015.21) ; v1(1470,1600.21) v1(1470,1670.21) ; v1(1895,775) 1940,775 1985,820 2445,820 v1(2485,860) ; v1(3690,700) 3715,675 U9.7@3782.6,675 4071.5,675 R22.1@4085,688.5 C39.2@4185,688.5
ADC_C\S\1: SPI_2.11 U2_A1.11 | length 2093.9
  Top Layer w10: U2_A1.11@2048.39,2261.83 U2_A1.11@2025.24,2261.83 1988.39,2261.83 1965,2285.21 1965,2384 1985,2404 1985,2430 2030,2475 2030,2520 2040,2530 v1@2055,2530 ; v1(2445,2565) 2580,2565 2665.21,2650.21 3450,2650.21 3500,2600.21 v1(3500,2555.21) ; SPI_2.11@3500,2410.21 v1(3500,2495.21)
  Ground w10: v1(2055,2530.21) 2060.45,2524.76 2241.48,2524.76 2281.72,2565 v1(2445,2565)
  Bottom Layer w10: v1(3500,2495.21) v1(3500,2555.21)
ADC_C\S\2: SPI_2.13 U2_A2.11 | length 1997.9
  Top Layer w10: U2_A2.11@2025.24,1766.83 1983.39,1766.83 1965,1785.21 1965,1895.21 v1(2135,2065.21) ; v1(2245,2175.21) 2285,2215.21 2870,2215.21 2935,2280.21 2935,2460.21 2965,2490.21 v1(2995,2490.21) ; v1(3080,2490.21) 3320,2490.21 SPI_2.13@3400,2410.21
  Bottom Layer w10: v1(2135,2065.21) v1(2245,2175.21) ; v1(2995,2490.21) v1(3080,2490.21)
ADC_C\S\3: SPI_2.15 U2_A3.11 | length 2028.4
  Top Layer w10: U2_A3.11@2025.24,1266.32 1963.9,1266.32 1950,1280.21 1950,1383.49 v4(2138.36,1571.85) ; v1(2625,1970.21) 2715,1970.21 2940,2195.21 v1(2960,2195.21) ; v1(3170,2250.21) 3200,2250.21 3260.47,2310.69 3260.47,2349.74 3300,2389.27 SPI_2.15@3300,2410.21
  Power w10: v4(2138.36,1571.85) 2181.73,1615.21 v1(2215,1615.21)
  Ground w10: v1(2960,2195.21) 2967.5,2202.71 3112.5,2202.71 3160,2250.21 v1(3170,2250.21)
  Bottom Layer w10: v1(2215,1615.21) 2380,1780.21 2380,1840.21 2455,1915.21 2565,1915.21 v1@2622.5,1972.71
ADC_C\S\4: SPI_2.17 U2_A4.11 | length 2514.5
  Top Layer w10: U2_A4.11@1998.85,795 2066.21,795 2104.9,756.32 v1@2113.9,756.32 ; v1(2600,880) 2610,890 2625,890 v1(2685,950)
  Bottom Layer w10: v1(2115,755.21) 2475.21,755.21 v1(2600,880) ; v1(2685,950) 2719.79,950 2820,1050.21 2820,1210.21 2785,1245.21 2785,1345.21 2865,1425.21 2865,1995.21 3000,2130.21 3016.82,2130.21 3150,2263.39 3150,2360.21 SPI_2.17@3200,2410.21
AGND1: AGND_A1.1 C1_A1.1 C5_A1.1 C6_A1.1 C7_A1.1 C8_A1.1 D1_A1.1 NT1_A1.1 R3_A1.1 U1_A1.4 U2_A1.2 U2_A1.4 U2_A1.5 U2_A1.6 U3.21 U4_A1.2 U5_A1.2 | length 1142.2
  Top Layer w20: D1_A1.1@747.4,2570.21 v2(800,2570.21) ; v2(1020,2370.21) U4_A1.2@1062.76,2370.21 ; C5_A1.1@1073.5,2585.21 v2@1073.5,2620.21 ; v2(1505,2220.21) C7_A1.1@1543.5,2220.21 ; U5_A1.2@1527.76,2365.21 v2(1570,2365.21) ; C6_A1.1@1596.5,2580.21 v2(1650,2580.21) ; v1(1730,2540) 1800,2610 NT1_A1.1@1800.63,2610 ; v2@1747.2,2287.42 U2_A1.5@1804.76,2287.42 ; U2_A1.6@1804.76,2261.83 U2_A1.5@1804.76,2287.42 ; U2_A1.4@1804.76,2313.01 U2_A1.5@1804.76,2287.42 ; U2_A1.2@1809.76,2364.19 v2(1871.02,2364.19)
  Ground w20: v2(2000,2170.21) 2040,2130.21 2045,2130.21 2045,1990.21 v3(2075,1960.21)
  Bottom Layer w20: U1_A1.4@938.39,2531.83 v3@938.39,2578.6 ; R3_A1.1@1366.5,2385.21 v3(1410,2385.21) ; C1_A1.1@1681.5,2250.21 v3(1730,2250.21) ; v3(1935,2220) 1946.5,2231.5 C8_A1.1@1946.5,2255.21 ; v3(2075,1960.21) 2075,1865.21 2100,1840.21 U3.21@2154.88,1840.21
  other v1: 1010,2300.21 385,2320.21 385,2430.21 525,2520.21
  other v2: 1747.2,2282.42 2060,2425.21 1970,2600 1075,2620.21
  other v3: 2085,2260 940,2580.21
AGND2: AGND_A2.1 C1_A2.1 C5_A2.1 C6_A2.1 C7_A2.1 C8_A2.1 D1_A2.1 NT1_A2.1 R3_A2.1 U1_A2.4 U2_A2.2 U2_A2.4 U2_A2.5 U2_A2.6 U3.1 U4_A2.2 U5_A2.2 | length 1201.3
  Top Layer w20: D1_A2.1@747.4,2075.73 v2(800,2075.73) ; v2(1020,1875.73) U4_A2.2@1062.76,1875.73 ; C5_A2.1@1073.5,2090.73 v2@1073.5,2125.73 ; v2(1505,1725.73) C7_A2.1@1543.5,1725.73 ; U5_A2.2@1527.76,1870.73 v2(1570,1870.73) ; C6_A2.1@1596.5,2085.73 v2(1650,2085.73) ; v2(1747.2,1792.42) U2_A2.5@1804.76,1792.42 ; U2_A2.6@1804.76,1766.83 U2_A2.5@1804.76,1792.42 ; U2_A2.4@1804.76,1818.01 U2_A2.5@1804.76,1792.42 ; U2_A2.2@1804.76,1869.19 v2@1855,1869.19 ; v1@1980.63,2119.58 NT1_A2.1@2055,2119.58 ; v2(2045,1920.21) 2190,1920.21 2225,1885.21 v1(2330,1885.21)
  Bottom Layer w20: U1_A2.4@938.39,2037.34 v3@938.39,2084.11 ; R3_A2.1@1366.5,1890.73 v3(1410,1890.73) ; C1_A2.1@1681.5,1755.73 v3(1730,1755.73) ; v3@1878.5,1804.23 C8_A2.1@1878.5,1840.73 ; v1(2330,1885.21) 2375,1885.21 2480,1990.21 U3.1@2515.12,1990.21
  other v1: 1820,1685.21 1945,1715.21 1125,1875.21 335,1895.21 1810,1955.21 2000,1980.21 1255,1990.21 1450,2015.21 500,2045.21 1980,2120.21
  other v2: 1855,1870.73 1475,1950 1485,2065 1075,2125.73
  other v3: 1875,1800.73 940,2085.73
AGND3: AGND_A3.1 C1_A3.1 C5_A3.1 C6_A3.1 C7_A3.1 C8_A3.1 D1_A3.1 NT1_A3.1 R3_A3.1 U1_A3.4 U2_A3.2 U2_A3.4 U2_A3.5 U2_A3.6 U3.17 U4_A3.2 U5_A3.2 | length 800.5
  Top Layer w20: D1_A3.1@747.4,1575.21 v2(800,1575.21) ; v2(1020,1375.21) U4_A3.2@1062.76,1375.21 ; C5_A3.1@1073.5,1590.21 v2@1073.5,1625.21 ; v2(1505,1225.21) C7_A3.1@1543.5,1225.21 ; U5_A3.2@1527.76,1370.21 v2(1570,1370.21) ; C6_A3.1@1596.5,1585.21 v2(1650,1585.21) ; v2(1747.2,1291.91) U2_A3.5@1804.76,1291.91 ; U2_A3.6@1804.76,1266.32 U2_A3.5@1804.76,1291.91 ; U2_A3.4@1804.76,1317.5 U2_A3.5@1804.76,1291.91 ; U2_A3.2@1804.76,1368.68 v2@1855,1368.68 ; v1@1975.63,1614.58 NT1_A3.1@2045,1614.58
  Bottom Layer w20: U1_A3.4@938.39,1536.83 v3@938.39,1583.6 ; R3_A3.1@1366.5,1390.21 v3(1410,1390.21) ; C1_A3.1@1681.5,1255.21 v3(1730,1255.21) ; v3@1878.5,1303.72 C8_A3.1@1878.5,1340.21 ; v3(2035,1610.21) 2065,1640.21 U3.17@2154.88,1640.21
  other v1: 2030,1185.21 1005,1300.21 640,1370.21 325,1385.21 1930,1460.21 1010,1510.21 1425,1515.21 490,1550.21 1975,1615.21
  other v2: 1855,1370.21 2075,1420 1075,1625.21
  other v3: 1875,1300.21 445,1440 1835,1485 940,1585.21
AGND4: AGND_A4.1 C1_A4.1 C5_A4.1 C6_A4.1 C7_A4.1 C8_A4.1 D1_A4.1 NT1_A4.1 R3_A4.1 U1_A4.4 U2_A4.2 U2_A4.4 U2_A4.5 U2_A4.6 U3.5 U4_A4.2 U5_A4.2 | length 1581.8
  Top Layer w20: D1_A4.1@747.4,1065.21 v2(800,1065.21) ; v2(1020,865.21) U4_A4.2@1062.76,865.21 ; C5_A4.1@1073.5,1080.21 v2@1073.5,1115.21 ; v2(1505,715.21) C7_A4.1@1543.5,715.21 ; U5_A4.2@1527.76,860.21 v2(1570,860.21) ; C6_A4.1@1596.5,1075.21 v2(1650,1075.21) ; U2_A4.2@1764.76,898.68 v2@1850,898.68 ; v1(1985.63,1109.58) NT1_A4.1@2060,1109.58 ; v1@2422.5,1582.71 2400,1605.21 2400,1716.32 2422.5,1738.82 2422.5,1762.71 v1(2435,1775.21)
  Bottom Layer w20: U1_A4.4@938.39,1026.83 v3@938.39,1073.6 ; R3_A4.1@1366.5,880.21 v3(1410,880.21) ; v3@1873.5,833.72 C8_A4.1@1873.5,870.21 ; v3(2060,1085.21) 2200,1085.21 2230,1115.21 2230,1385.21 v1(2425,1580.21) ; v1(2435,1775.21) 2450,1790.21 U3.5@2515.12,1790.21
  other v1: 790,745.21 1510,770.21 1015,775.21 1935,825 345,885.21 645,905.21 1485,1005.21 505,1035.21
  other v2: 1850,900.21 1075,1115.21
  other v3: 1870,830.21 940,1075.21 1450,1120
C\O\N\V\S\T\_1: U2_A1.9 U7.46 | length 1951.7
  Top Layer w10: U2_A1.9@2025.24,2210.65 2034.57,2210.65 2207.5,2037.71 2224.32,2037.71 2237.5,2024.53 2237.5,2007.71 2337.5,1907.71 2339.32,1907.71 2352.5,1894.53 2352.5,1597.71 2585,1365.21 v1(2680,1365.21) ; v1(2820,1430.21) 2958.79,1430.21 3000.16,1388.84 3140.44,1388.84 3184.32,1432.71 3249.79,1432.71 3319.88,1362.62 3319.88,1334.7 U7.46@3322.68,1331.91
  Bottom Layer w10: v1(2680,1365.21) 2745,1430.21 v1(2820,1430.21)
C\O\N\V\S\T\_2: U2_A2.9 U7.47 | length 1657.7
  Top Layer w10: U2_A2.9@2025.24,1715.65 2049.57,1715.65 2202.5,1562.71 2229.32,1562.71 2515,1277.03 v1@2515,1275.21 ; v1(3315,1205.21) 3315,1215.21 3342.36,1242.58 U7.47@3342.36,1331.91
  Ground w10: v1(2510,1275.21) 2525,1290.21 2580,1290.21 2660.47,1209.74 3310.47,1209.74 v1(3315,1205.21)
C\O\N\V\S\T\_3: U2_A3.9 U7.136 | length 2106.5
  Top Layer w10: U2_A3.9@2025.24,1215.13 v1@2365,1215.13 ; v1(2790,1400.21) 2802.5,1387.71 v1(2867.5,1387.71) ; U7.136@3302.99,2168.52 3302.99,2198.21 v1(3325,2220.21)
  Ground w10: v1(2365,1215.21) 2470,1320.21 v1(2635,1320.21) ; v1(2915,1980.21) 3155,2220.21 v1(3325,2220.21)
  Bottom Layer w10: v1(2635,1320.21) 2655,1320.21 2677.5,1342.71 2689.32,1342.71 2746.82,1400.21 v1(2790,1400.21) ; v1(2867.5,1387.71) 2892.5,1412.71 2892.5,1692.71 2915,1715.21 v1(2915,1980.21)
C\O\N\V\S\T\_4: U2_A4.9 U7.137 | length 3298
  Top Layer w10: U2_A4.9@1995,745.13 2054.87,745.13 v1@2082.5,717.5 ; U7.137@3283.31,2168.52 3283.31,2136.91 v1(3315,2105.21) ; v1@3400,2030.21 3430,2030.21 3447.5,2012.71 3522.5,2012.71 v1(3530,2020.21) ; v1(3682.5,1585.21) 3682.5,1682.71 3730,1730.21 3730,1865.21 v1@3755,1890.21
  Power w10: v1(2745,850) 2755,860 2755,880 v1(2825,950)
  Bottom Layer w10: v1(2080,715) 2130,715 2155,740 2480,740 2480.21,740.21 2481.43,740.21 2506.21,765 2660,765 v1(2745,850) ; v1(2825,950) 2884.79,950 2955,1020.21 3205,1020.21 3230,1045.21 3230,1220.21 3300,1290.21 3600,1290.21 3682.5,1372.71 v1(3682.5,1585.21) ; v1(3315,2105.21) 3320,2100.21 3320,2035.21 3324,2031.22 3389,2031.22 v1(3395,2025.21) ; v1(3530,2020.21) 3660,2020.21 3755,1925.21 v1(3755,1895.21)
C\S\_\P\O\T\: SPI_2.19 U3.11 | length 1225.5
  Top Layer w10: v1(2805,1750.21) 2805,1926.43 3036.29,2157.71 3044.32,2157.71 3057.5,2170.89 3057.5,2367.71 SPI_2.19@3100,2410.21
  Power w10: v1(2615,1490.21) 2805,1680.21 v1(2805,1750.21)
  Bottom Layer w10: U3.11@2515.12,1490.21 v1(2615,1490.21)